# KiCad board Polygonus-Universal-Base.kicad_pcb (continued)
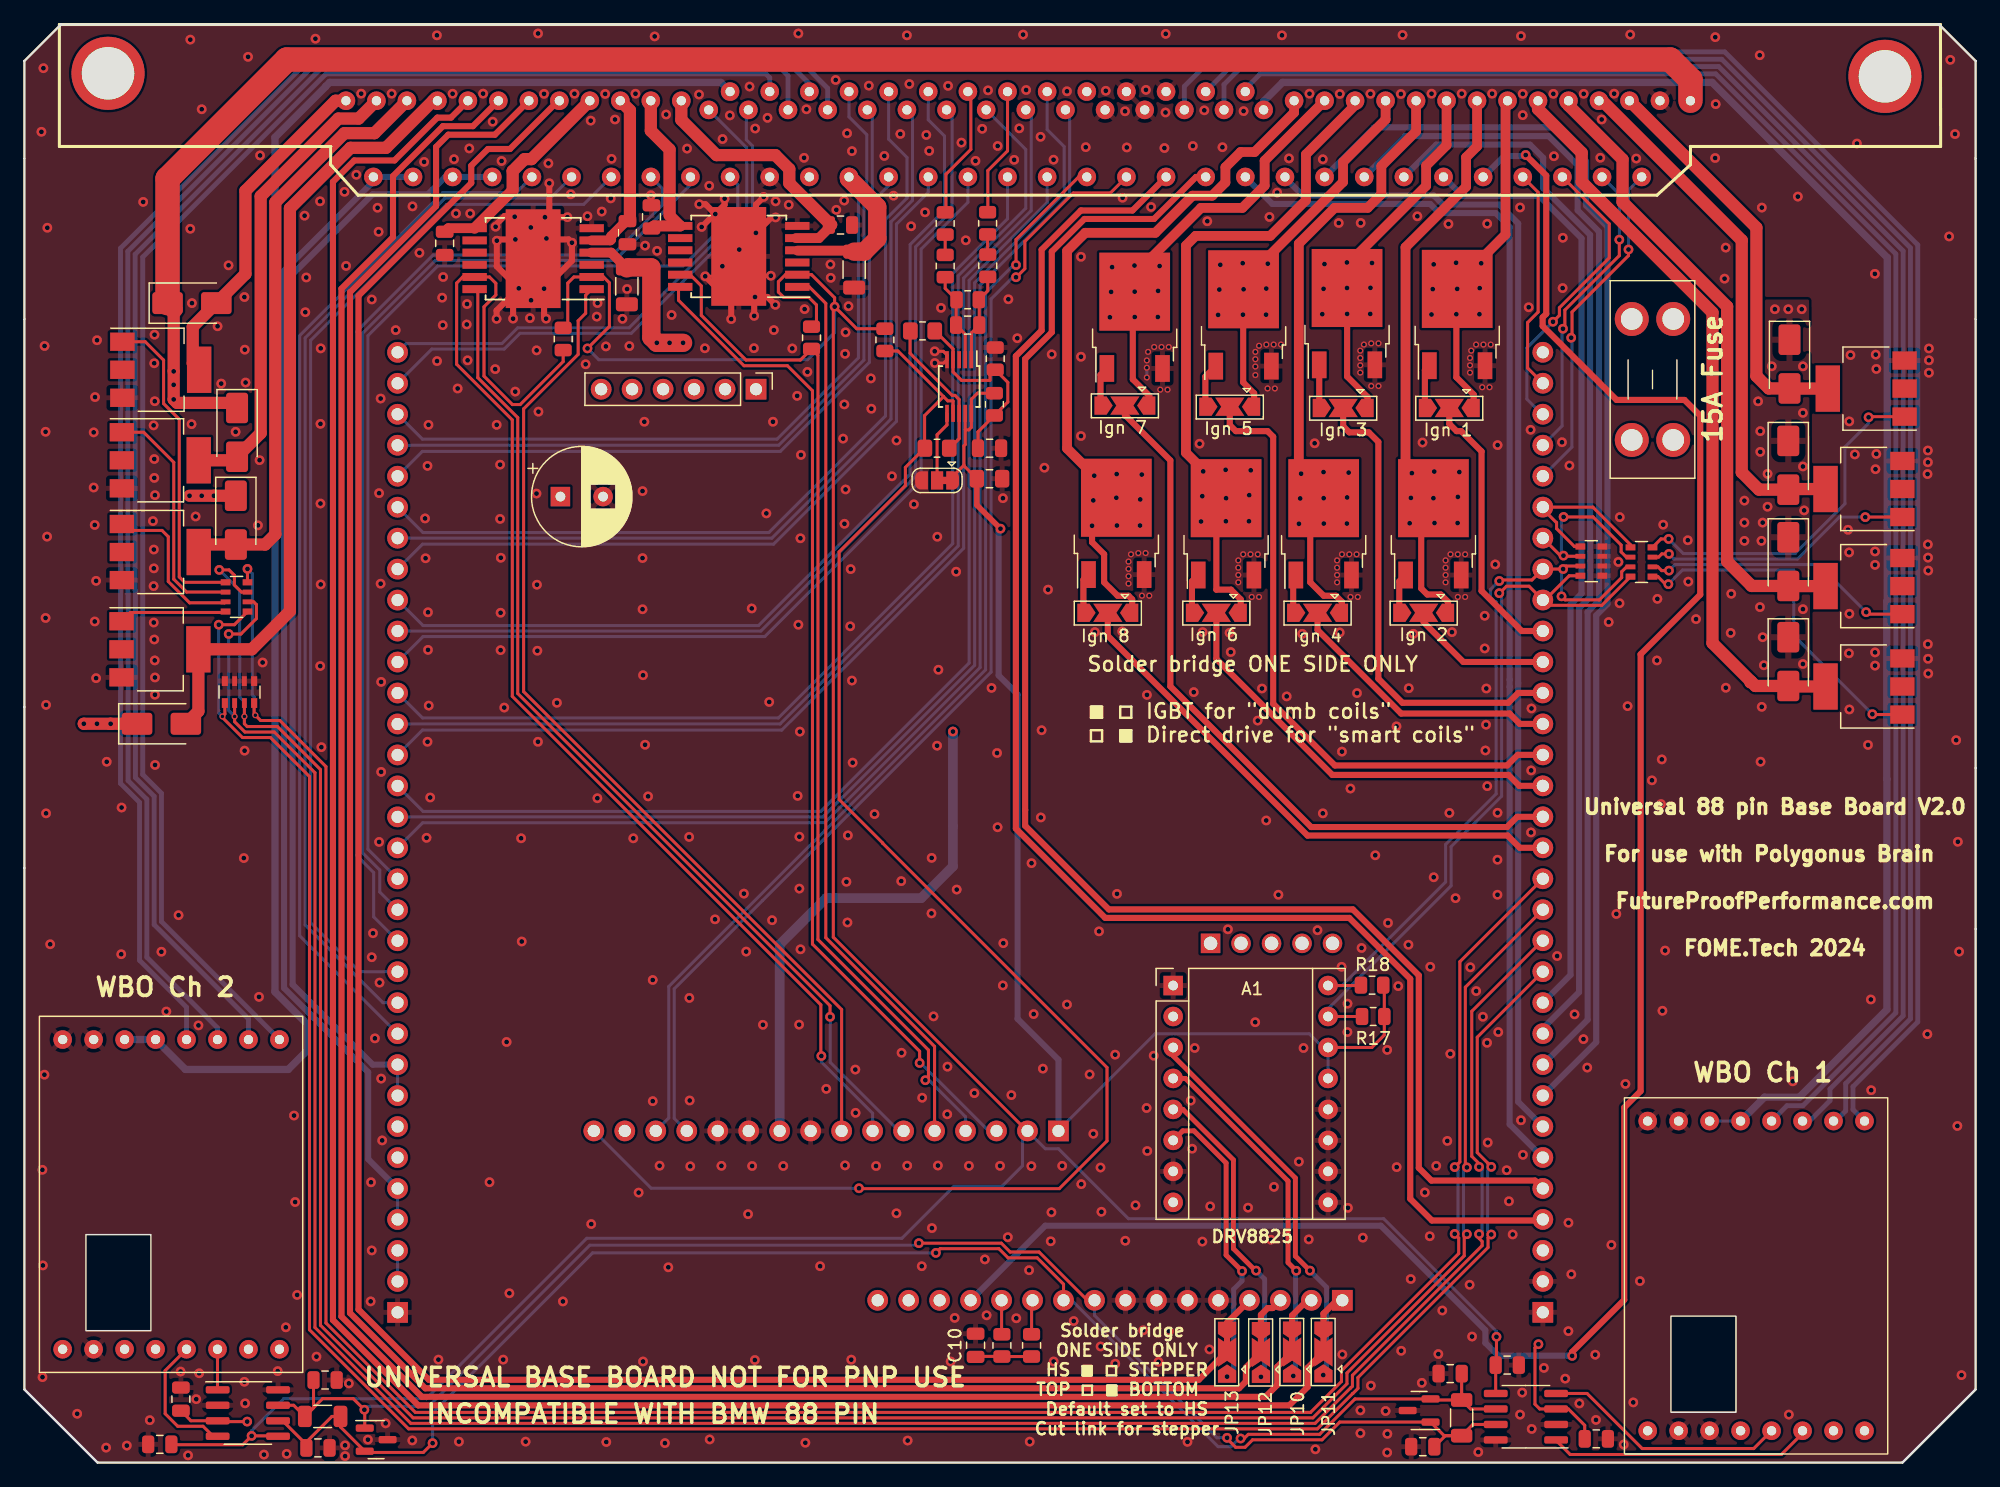
[diagram p0: board, top side]
## Routing (per net, layer and track width the routed paths; a pad name or vN(x,y) marks a point on that pad's centre or on a via; arc(x,y) is an arc through that point)
+3.3V: length 264.4
  Top w0.25: R12.2 64.95,93.57 64.95,94.95 64.33,95.57 62.27,95.57 61.83,96.01 61.83,96.85 62.4,97.43 63.21,97.43 63.24,97.4 ; R1.2 44.56,93.44 44.56,96.74 45.06,97.24 U2.2 47.49,97.24 47.97,96.76 47.97,93.18 v1(46.17,91.38) ; v1(120.71,10.32) 120.71,8.06 C15.1 120.65,5.67 U13.5 ; v1(66.44,94.81) 68.25,93 R11.1 ; v1(66.44,94.81) 66.44,95.54 64.55,97.43 U8.2 ; v1(66.44,94.81) 66.33,94.7 66.33,43.09 82.25,27.17 J4.82 ; U15.5 20.77,2.19 v1(18.63,2.19) 17.9,1.47 12.08,1.47 C19.1
  Bottom w0.25: v1(18.63,2.19) 18.63,2.61 21.25,5.24 32.95,5.24 46.11,18.4 71.96,18.4 76.23,22.67 80.17,22.67 81.85,24.34 81.85,26.8 J4.82 83.71,25.74 84.8,25.74 90.53,20 111.46,20 120.71,10.76 v1(120.71,10.32) ; v1(46.17,91.38) 47.1,90.46 64.22,90.46 66.44,92.68 v1(66.44,94.81)
+5V: length 283
  Top w0.25: R17.1 111.51,39.07 R18.2 111.51,35.07 110.49,34.05 A1.14 ; 78.05,80.76 C6.1 77.04,81.76 77.04,81.8 ; R7.1 78.15,87.71 77.65,87.21 U3.10 77.65,84.91 77.44,84.7 77.15,84.7 ; JP2.1 76.14,80.9 77.04,81.8 ; 77.15,84.7 77.15,83.51 77.04,83.4 77.04,81.8 ; 77.15,84.7 U3.9 ; v1(18.27,3.37) 15.91,3.37 U15.3 13.66,3.43 C18.1 ; C14.1 127.95,3.06 126.61,4.4 U13.3 124.26,4.4 123.87,4.79 123.87,9.43 v1(124.15,9.71)
  Top w0.45: C6.1 78.1,78.54 v1(80.04,76.6)
  In.Power.Cu w0.5: 83.74,23.2 81.84,21.3 65.74,21.3 58.04,13.6 51.14,13.6 45.14,7.6 22.5,7.6 v1(18.27,3.37) 13.07,3.37 12.44,4 12.44,5.7 10.84,7.3 ; 83.74,23.2 90.16,16.77 114.56,16.77 119.74,11.6 121.54,11.6 123.43,9.71 v1(124.15,9.71) 129.83,9.71 132.94,6.6 132.94,2.78 U1.1 ; 83.74,23.2 83.74,26.15 J4.81 ; 10.84,7.3 4.04,7.3 3.14,8.2 U14.1 ; 10.84,7.3 10.76,7.38 U14.4
  Bottom w0.25: 84.79,27.41 J4.81 84.79,27.25 92.72,35.17 105.36,35.17 106.49,34.05 A1.14 A1.13
  Bottom w0.5: v1(80.04,76.6) 79.89,76.45 79.89,64.56 81.44,63.01 81.44,36.4 84.79,33.04 J4.81
/5V_SENSOR_1: length 91.8
  Bottom w0.25: J4.40 J4.41
  Bottom w0.5: Motronic_88pin1.59 34.5,105.45 33.08,104.03 28.55,104.03 22,97.47 22,39.21 28.56,32.64 J4.41
/5V_SENSOR_2: length 95.6
  Bottom w0.25: J4.37 J4.36
  Bottom w0.5: Motronic_88pin1.57 Motronic_88pin1.56 28.62,105.08 21.3,97.76 21.3,38.92 28.19,32.03 28.19,24.89 J4.37
/12V_KEY: length 101.7
  In.Power.Cu w0.8: Motronic_88pin1.44 87.12,110.02 88.74,108.4 88.74,103.7 82.64,97.6 82.64,81.18 82.74,81.08 82.74,74.4 76.14,67.8 v1(76.14,59.96)
  Bottom w0.8: J4.90 61.93,42.49 65.74,46.3 73.54,46.3 76.14,48.9 v1(76.14,59.96)
/12V_MR: length 201.9
  Top w1: 12.24,94.6 v1(12.24,89.5) v1(12.24,87.2) 12.52,86.91 17.02,86.91 D702.1 ; D704.1 v1(7.07,60.6) v1(4.87,60.6) ; D703.1 v1(15.54,79.3) v1(13.54,79.3)
  Top w1.5: 12.24,94.6 D701.1
  Top w2: D701.1 11.74,105.3 21.52,115.07 134.96,115.07 136.62,113.42 Motronic_88pin1.28
  In.Power.Cu w1.5: 12.24,79.3 v1(12.24,87.2) v1(12.24,88.4) v1(12.24,89.5) ; 12.24,79.3 v1(13.54,79.3) v1(14.54,79.3) v1(15.54,79.3) ; 12.24,79.3 12.24,62.2 10.64,60.6 v1(7.07,60.6) v1(5.95,60.6) v1(4.87,60.6)
  vias: v1(139.96,71.26) v1(139.92,68.05) v1(141.04,78.9) v1(141.04,77.1) v1(141.04,75.6) v1(142.16,87.05) v1(142.34,84.6) v1(142.34,82.9) v1(142.32,70.17) v1(142.44,75.6) v1(142.54,77.1) v1(142.54,67.7) v1(142.64,65.4) v1(142.94,81.1) v1(142.94,78.4) v1(143.28,89.92) v1(143.54,94.6) v1(144.64,94.6) v1(145.74,94.6) v1(145.84,89.92) v1(145.84,86.1) v1(145.84,81.7) v1(145.84,70) v1(145.84,65.5) v1(145.94,78.1)
/12V_MR_FUSE: length 26.9
  Top w0.8: C1.2 48.11,99.24 46.49,99.24 ; 63.4,99.4 67.96,99.4
  Top w0.9: 67.96,99.4 67.98,99.38
  Top w1.5: C7.2 68.87,99.32 69.93,100.38 69.93,102.99 67.62,105.3 Motronic_88pin1.68 ; C1.2 49.48,98.03 51.41,98.03 51.41,92.29 v1(51.86,91.84) v1(54.01,91.84)
  vias: v1(52.9,91.84)
/12V_PROT: length 2.5
  Bottom w0.25: J4.35 J4.34
/AV1: length 64.1
  Bottom w0.25: J4.62 32.64,83.94 61.72,83.94 68.39,90.61 68.39,103.55 69.08,104.24 69.08,108.91 67.62,110.37 Motronic_88pin1.38
/AV2: length 62.1
  Bottom w0.25: J4.61 61.86,83.44 68.84,90.43 68.84,103.37 69.53,104.05 69.53,110.54 Motronic_88pin1.11
/AV3: length 58.4
  Bottom w0.25: J4.60 32.63,82.94 61.99,82.94 69.29,90.24 69.29,103.16 70.87,104.74 Motronic_88pin1.69
/AV4: length 72.8
  Bottom w0.25: Motronic_88pin1.39 70.87,108.55 72.38,107.04 72.38,103.71 70.61,101.95 70.61,85.84 61.05,76.28 32.68,76.28 J4.59
/AV5: length 70.8
  Bottom w0.25: J4.58 61.29,75.82 71.06,85.59 71.06,101.76 72.82,103.53 72.82,110.49 Motronic_88pin1.12
/AV6: length 67.1
  Bottom w0.25: J4.57 32.65,75.33 61.44,75.33 71.51,85.4 71.51,101.58 74.12,104.18 Motronic_88pin1.70
/AV7: length 81.1
  Bottom w0.25: J4.56 32.69,68.65 60.2,68.65 72.63,81.08 72.63,99.9 75.45,102.72 75.45,108.8 74.12,110.13 Motronic_88pin1.40
/AV8: length 79.2
  Bottom w0.25: Motronic_88pin1.13 76.08,110.49 76.08,102.71 73.08,99.71 73.08,80.89 60.39,68.2 J4.55
/AV9: length 75.6
  Bottom w0.25: Motronic_88pin1.71 77.37,103.37 73.53,99.53 73.53,80.57 60.71,67.75 32.69,67.75 J4.54
/AV10: length 84.2
  Bottom w0.25: J4.53 32.65,61.07 61.83,61.07 76.12,75.37 76.12,97.52 80.62,102.02 Motronic_88pin1.72
/AV11: length 91.4
  Bottom w0.25: J4.52 61.97,60.58 76.57,75.18 76.57,97.33 82.11,102.87 82.11,107.7 Motronic_88pin1.14
GND: length 65.9
  Top w0.25: v1(58.62,99.49) 60.77,97.34 v1(61.21,97.34) 61.17,97.3 v1(55.83,97.3) ; v1(74.65,91.15) 75.35,91.15 75.66,90.84 75.65,90.83 U3.5 75.38,90.18 v1(74.66,90.18)
  Top w0.5: v1(56.66,102.41) 57.42,103.17 v1(57.42,103.67) ; v1(56.66,102.41) 55.85,103.21 v1(55.34,103.21) ; v1(56.66,102.41) 56.6,102.41 v1(55.53,101.34) ; v1(55.83,97.3) 57.96,95.17 v1(57.96,93.79) ; v1(42.61,96.28) 42.59,96.31 v1(40.54,96.31) ; v1(42.61,96.28) 42.61,93.99 v1(42.78,93.82) ; v1(42.61,96.28) 44.9,98.57 v1(44.9,100.05) 44.63,100.32 v1(40.26,100.32) 38.84,100.32 v1(38.74,100.22) 38.74,98.11 v1(40.54,96.31) ; v1(60.62,103.81) 59.99,103.17 v1(59.99,100.86) 61.26,102.13 v1(61.6,102.13) ; v1(38.64,101.36) 38.64,101.51 39.37,102.24 40.14,102.24 v1(40.2,102.18) 42.65,102.18 v1(42.69,102.14) ; v1(40.07,93.82) 40.07,95.84 v1(40.54,96.31) ; v1(40.54,96.31) 38.72,94.49 v1(38.72,93.81) ; v1(42.69,102.14) v1(44.53,102.14) ; v1(42.69,102.14) 43.04,102.5 v1(43.04,104.93) ; v1(61.58,94.96) 60.93,95.6 v1(59.91,95.6) 59.84,95.53 v1(59.84,94.05)
  Bottom w0.25: v2(92.04,89.8) v2(92.04,89)
  vias: v1(1.4,109.15) v1(1.48,24.01) v1(1.48,7.01) v1(1.56,114.37) v1(1.52,16.17) v1(1.65,91.58) v1(1.64,31.82) v1(1.74,84.54) v1(1.74,69.28) v1(1.78,62.15) v1(1.78,53.25) v1(1.88,101.28) v1(1.86,75.95) v1(2.11,42.51) v1(4.33,4.01) v1(5.68,84.5) v1(5.68,79.97) v1(5.77,76.9) v1(5.77,68.99) v1(5.79,87.39) v1(5.88,72.32) v1(5.88,64.34) v1(5.95,92.05) v1(6.75,57.48) v1(6.7,1.23) v1(7.97,53.73) v1(7.94,41.7) v1(8.4,1.4) v1(9.74,103.4) v1(10.28,3.48) v1(10.54,77.22) v1(10.67,92.51) v1(10.65,90.17) v1(10.6,85.07) v1(10.65,82.31) v1(10.65,80.76) v1(10.61,74.89) v1(10.61,73.34) v1(10.6,71.89) v1(10.61,68.9) v1(10.65,67.51) v1(10.69,65.79) v1(10.69,87.05) v1(10.71,79.35) v1(10.71,64.4) v1(10.71,62.98) v1(10.71,57.22) v1(11.23,41.9) v1(11.64,37) v1(12.64,44.9) v1(12.81,7.47) v1(13.42,0.6) v1(13.61,116.71) v1(13.6,101.19) v1(13.74,95.1) v1(13.71,85.17) v1(14.04,77.6) v1(14.09,5.2) v1(14.27,35.86) v1(14.33,7.33) v1(14.54,111) v1(15.84,93.2) v1(16.14,88.5) v1(16.74,98.2) v1(17.32,84.54) v1(18.04,95.6) v1(18.07,91.28) v1(18.06,58.39) v1(17.99,49.58) v1(18.04,6.63) v1(18.14,88.59) v1(18.1,4.86) v1(18.34,115.3) v1(19.15,76.87) v1(19.28,82.22) v1(19.24,38.2) v1(19.33,107.21) v1(19.53,65.62) v1(19.64,0.66) v1(20.77,7.5) v1(21.44,11.1) v1(21.51,0.72) v1(22.11,28.47) v1(22.2,21.37) v1(22.36,13.75) v1(22.98,102.27) v1(23.03,94.35) v1(23.11,97.2) v1(23.87,116.78) v1(23.95,8.69) v1(24.25,103.45) v1(24.28,85.19) v1(24.28,78.66) v1(24.26,65.33) v1(24.3,91.39) v1(24.3,72.03) v1(24.35,58.68) v1(26.25,104.22) v1(26.38,98.15) v1(26.3,1.42) v1(26.3,0.53) v1(26.61,6.5) v1(27.22,105.62) v1(27.62,112.28) v1(28.17,1.88) v1(28.49,95.4) v1(28.48,41.45) v1(28.42,22.99) v1(28.48,17.4) v1(28.39,13.22) v1(28.59,43.42) v1(28.74,34.8) v1(28.96,102.92) v1(29.05,100.95) v1(29.09,79.51) v1(29.09,50.9) v1(29.12,39.37) v1(29.21,87.27) v1(29.21,72.09) v1(29.25,64.03) v1(29.25,56.65) v1(29.25,31.49) v1(29.34,26.43) v1(29.62,3.22) v1(30.12,112.28) v1(30.45,92.88) v1(31.82,103.03) v1(31.81,1.82) v1(32.39,99.22) v1(32.78,106.68) v1(32.86,77.44) v1(32.9,74.17) v1(32.98,51.24) v1(33.06,81.75) v1(33.06,59.12) v1(33.14,85.11) v1(33.1,69.74) v1(33.1,66.66) v1(33.16,62.09) v1(33.28,54.55) v1(33.82,117.06) v1(33.84,90.35) v1(33.95,8.45) v1(34.26,95.54) v1(34.34,97.24) v1(34.31,93.29) v1(35.11,112.27) v1(35.23,106.9) v1(35.39,102.45) v1(35.53,88.1) v1(35.63,1.72) v1(36.27,93.35) v1(36.3,95.02) v1(36.34,90.41) v1(36.48,107.78) v1(36.55,102.45) v1(37.61,112.28) v1(38.14,23) v1(38.4,109.98) v1(38.61,89.68) v1(38.73,85.11) v1(39.01,81.85) v1(39.01,77.4) v1(39.07,74.21) v1(39.05,69.7) v1(39.05,66.64) v1(39.13,106.75) v1(39.26,8.45) v1(39.35,61.93) v1(39.54,34.5) v1(39.77,13.89) v1(40.25,87.84) v1(40.73,51.21) v1(40.78,42.74) v1(41.1,1.72) v1(41.46,93.87) v1(41.52,101.3) v1(41.54,95.33) v1(42,91.22) v1(41.99,79.48) v1(42.03,72) v1(42.06,66.59) v1(42.12,117.21) v1(42.15,86.2) v1(42.11,59.12) v1(42.61,112.26) v1(42.81,100.4) v1(42.97,106.56) v1(43.67,62.32) v1(44.16,13.22) v1(44.8,104.02) v1(45.11,112.27) v1(46.02,90.08) v1(46.17,102.22) v1(46.44,110.06) v1(46.48,19.57) v1(46.93,93.99) v1(46.98,54.49) v1(47,95.1) v1(47.34,102.61) v1(47.62,112.25) v1(47.68,91.55) v1(47.72,1.69) v1(48.08,103.69) v1(48.15,106.93) v1(48.43,110.16) v1(49.04,93.81) v1(49.42,96.25) v1(49.61,91.58) v1(49.93,51.2) v1(50.11,112.27) v1(50.37,22.15) v1(50.69,79.68) v1(50.69,74.19) v1(50.69,69.99) v1(50.73,64.58) v1(50.73,8.29) v1(50.84,85.37) v1(50.9,99.81) v1(50.9,58.87) v1(51.14,54.64) v1(51.38,103.95) v1(51.52,39.58) v1(51.53,29.65) v1(51.68,116.97) v1(51.88,99.38) v1(52.09,24.35) v1(52.53,1.6) v1(52.62,110.57) v1(52.8,16.02) v1(53.07,94.13) v1(54.34,107.77) v1(54.51,51.32) v1(54.52,38.11) v1(54.55,29.7) v1(54.6,24.3) v1(55.32,112.2) v1(55.8,91.4) v1(56.16,104.72) v1(56.19,1.9) v1(56.63,44.56) v1(57.16,24.34) v1(57.25,108.55) v1(57.23,98.12) v1(57.85,110.49) v1(59,46.67) v1(59.19,41.91) v1(59.34,20.38) v1(59.46,112.86) v1(59.64,70.06) v1(59.67,24.33) v1(59.82,91.4) v1(59.92,109.42) v1(59.9,8.41) v1(60.56,35.91) v1(60.84,77.85) v1(60.94,110.3) v1(61.08,62.39) v1(61.38,85.37) v1(61.31,44.49) v1(61.46,92.88) v1(61.6,103.44) v1(62.23,24.33) v1(62.68,103.16) v1(62.97,91.38) v1(63.37,87.49) v1(63.47,117.21) v1(63.47,68.72) v1(63.41,54.68) v1(63.59,59.95) v1(63.55,51.34) v1(63.55,47.08) v1(63.53,35.92) v1(63.68,82.65) v1(63.63,75.81) v1(63.64,42.1) v1(63.93,107.01) v1(63.98,94.6) v1(64.04,1.63) v1(64.13,110.99) v1(64.21,89.46) v1(65.25,16.11) v1(65.75,30.65) v1(66.09,98.27) v1(66.12,97.17) v1(66.53,113.4) v1(66.58,102.75) v1(67.14,83.98) v1(67.22,103.51) v1(67.24,86.79) v1(67.25,77) v1(67.34,92.7) v1(67.3,90.94) v1(67.34,79.82) v1(67.29,24.38) v1(67.46,109.03) v1(67.41,47.64) v1(67.58,94.84) v1(67.53,51.44) v1(67.49,44.3) v1(67.76,73.28) v1(67.72,68.59) v1(67.86,107.56) v1(67.86,64.14) v1(67.8,8.44) v1(67.92,57.41) v1(68.14,32.24) v1(68.16,28.69) v1(69.24,112.93) v1(69.41,88.92) v1(69.45,86.44) v1(69.71,53.19) v1(69.84,24.33) v1(70.51,107.17) v1(71.14,80.9) v1(71.27,103.91) v1(71.51,83.83) v1(71.51,20.45) v1(71.82,108.97) v1(71.9,47.69) v1(71.93,33.61) v1(72.37,117.06) v1(72.39,24.35) v1(72.43,1.81) v1(72.56,113.07) v1(72.71,101.4) v1(72.94,78.6) v1(73.58,16.11) v1(73.62,29.93) v1(73.85,102.55) v1(73.96,108.89) v1(74.19,107.58) v1(74.38,45.05) v1(74.4,49.6) v1(74.42,19.24) v1(74.55,36.6) v1(74.86,75.94) v1(74.84,58.8) v1(74.95,65.03) v1(74.91,24.37) v1(75.16,94.71) v1(75.67,28.57) v1(75.74,112.92) v1(75.69,32.48) v1(75.95,8.29) v1(76.28,11.87) v1(76.4,73.07) v1(76.45,47) v1(76.84,108.26) v1(77.2,100.25) v1(77.45,24.34) v1(77.9,30.3) v1(77.99,106.76) v1(78.54,109.39) v1(78.76,16.67) v1(78.9,12.08) v1(79.02,112.55) v1(79.3,63.54) v1(79.76,58.2) v1(79.81,107.98) v1(79.8,52.11) v1(80,24.34) v1(80.24,79.1) v1(80.27,42.6) v1(80.23,39.14) v1(80.69,95.41) v1(80.64,18.49) v1(80.93,30.14) v1(81.16,106.85) v1(81.34,11.84) v1(81.42,92.22) v1(81.58,109.43) v1(81.89,117.12) v1(82.14,112.58) v1(82.38,15.78) v1(82.44,1.72) v1(82.58,49.17) v1(82.57,24.31) v1(82.76,36.79) v1(83.33,108.74) v1(83.35,52.91) v1(83.41,60.07) v1(83.52,32.31) v1(83.64,81.6) v1(83.94,71.6) v1(84.16,18.15) v1(84.24,90.9) v1(84.22,20.53) v1(84.39,106.86) v1(84.4,8.29) v1(85.1,24.34) v1(85.49,112.47) v1(85.49,37.57) v1(86.04,11.61) v1(86.64,98.9) v1(86.64,90.7) v1(86.64,84.2) v1(86.66,22.84) v1(87.03,107.89) v1(87.35,31.84) v1(87.65,26.97) v1(87.78,68.11) v1(88.12,43.57) v1(88.24,24.2) v1(88.25,9.53) v1(88.31,20.57) v1(88.67,112.51) v1(89.44,33.46) v1(89.45,8.11) v1(89.59,46.65) v1(90.05,103.74) v1(90.02,68.17) v1(90.25,110.83) v1(90.27,18.2) v1(90.4,107.86) v1(91.11,21.1) v1(91.75,10.85) v1(91.97,112.59) v1(92.05,62.97) v1(92.02,29.08) v1(92.07,25.56) v1(92.39,102.98) v1(92.6,33.37) v1(93,8.26) v1(93.48,107.82) v1(93.59,117.18) v1(93.57,110.73) v1(93.86,10.78) v1(95.38,1.7) v1(95.64,29.69) v1(95.75,25.75) v1(95.81,107.98) v1(95.89,63.19) v1(95.96,34.01) v1(96.36,83.57) v1(96.62,68.11) v1(96.6,18.13) v1(96.75,110.91) v1(97,101.81) v1(97.17,9.28) v1(97.24,21.02) v1(98.24,107.88) v1(98.69,43.74) v1(98.83,68.06) v1(98.92,66.48) v1(99.97,110.85) v1(100.34,20.91) v1(100.93,36.12) v1(101.13,60.86) v1(101.48,63.49) v1(101.83,52.66) v1(102.1,102.16) v1(102.21,18.28) v1(102.46,22.61) v1(102.73,104.16) v1(102.83,46.57) v1(103.12,117.06) v1(103.51,62.84) v1(103.7,106.97) v1(104.51,24.68) v1(104.78,67.98) v1(104.89,34.01) v1(105.38,112.28) v1(105.32,18.31) v1(105.8,83.6) v1(105.86,1.09) v1(106.04,43.67) v1(106.47,106.9) v1(106.47,53.25) v1(107.78,101.67) v1(107.86,112.25) v1(107.86,68.09) v1(108.04,58.31) v1(108.01,40.66) v1(108.07,8.87) v1(108.49,35.31) v1(108.5,37.64) v1(108.53,20.9) v1(108.73,55.29) v1(109.27,63.12) v1(109.58,101.67) v1(109.55,4.29) v1(109.55,2.41) v1(109.65,42.21) v1(109.75,18.45) v1(110.37,112.26) v1(110.41,6.31) v1(110.77,49.81) v1(111.62,4.23) v1(111.75,33.85) v1(111.76,2.36) v1(111.75,0.83) v1(111.82,44.26) v1(112.51,60.38) v1(112.53,24.23) v1(112.65,39.08) v1(112.87,112.25) v1(112.9,9.17) v1(113.01,117.09) v1(113.52,63.52) v1(113.49,42.47) v1(113.68,15.06) v1(113.9,67.98) v1(114.22,102.22) v1(114.59,6.54) v1(114.65,83.66) v1(114.84,22.16) v1(115.28,40.66) v1(115.24,18.57) v1(115.38,112.28) v1(115.56,48.01) v1(115.77,24.33) v1(115.94,8.9) v1(116.27,12.48) v1(116.68,26.39) v1(116.77,101.59) v1(116.85,53.29) v1(116.92,33.53) v1(117.06,68.11) v1(117.35,46.29) v1(117.86,112.28) v1(118.57,40.62) v1(118.51,14.59) v1(118.71,10.34) v1(119.05,38.67) v1(119.22,0.87) v1(119.6,36.57) v1(119.74,69.45) v1(119.74,66.78) v1(119.88,63.49) v1(119.86,60.52) v1(119.8,58.41) v1(119.95,101.61) v1(119.95,55.48) v1(119.94,34.43) v1(119.99,26.25) v1(120.36,112.28) v1(120.61,73.67) v1(120.8,83.45) v1(120.8,53.3) v1(120.79,49.45) v1(120.79,46.58) v1(120.86,35.31) v1(121.55,23.98) v1(121.73,21.44) v1(122.04,18.71) v1(122.64,102.94) v1(122.64,3.94) v1(122.72,117) v1(122.72,28.08) v1(122.87,112.26) v1(122.86,110.51) v1(122.88,25.25) v1(122.82,5.75) v1(123.35,94.76) v1(123.51,84.71) v1(123.58,61.85) v1(123.56,56.77) v1(123.54,51.68) v1(123.6,2.76) v1(124.6,7.77) v1(125.38,112.26) v1(125.42,107.15) v1(125.68,41.55) v1(126.08,83.69) v1(126.15,100.46) v1(126.14,96.33) v1(126.35,6.89) v1(126.61,19.67) v1(126.61,10.79) v1(126.69,81.77) v1(126.85,15.45) v1(127.11,36.77) v1(127.51,4.85) v1(127.86,112.26) v1(127.84,34.73) v1(128.15,32.4) v1(128.81,8.85) v1(128.87,3.5) v1(129.22,107.02) v1(129.33,110.16) v1(129.91,68.94) v1(130.13,17.85) v1(130.36,112.28) v1(130.54,45) v1(130.7,73.87) v1(130.82,77.54) v1(130.8,70.48) v1(131.15,1.48) v1(131.28,31.06) v1(131.46,62.04) v1(131.68,117.12) v1(131.93,4.94) v1(132.17,106.96) v1(132.47,14.89) v1(133.46,55.96) v1(133.87,65.79) v1(133.91,70.84) v1(134.27,57.68) v1(134.2,54.01) v1(134.38,76.93) v1(134.32,37.06) v1(134.54,42) v1(136.4,75.65) v1(136.44,72.25) v1(137.07,69.18) v1(138.65,116.91) v1(138.69,111.42) v1(138.64,107) v1(139.41,97.1) v1(139.51,99.65) v1(139.52,63.55) v1(142.3,115.43) v1(142.37,57.49) v1(142.47,102.93) v1(142.46,61.99) v1(144.69,3.94) v1(145,31.27) v1(145.42,103.84) v1(149.54,76.51) v1(149.64,85.4) v1(149.63,74.65) v1(149.65,69.62) v1(149.61,66.38) v1(149.65,61.77) v1(149.74,90.84) v1(150.09,82.69) v1(150.27,108.19) v1(151.18,58.86) v1(151.41,37.98) v1(151.44,30.55) v1(151.74,97.5) v1(151.75,74.73) v1(151.75,73.63) v1(151.75,66.45) v1(151.75,65.37) v1(151.81,90.87) v1(151.86,89.7) v1(151.86,82.73) v1(151.79,81.48) v1(156.09,83.01) v1(156.09,82.04) v1(156.06,81.08) v1(156.08,75.3) v1(156.08,67.12) v1(156.05,35.14) v1(156.17,91.38) v1(156.17,90.41) v1(156.17,89.39) v1(156.1,74.22) v1(156.12,73.16) v1(156.1,65.93) v1(156.12,64.72) v1(157.83,100.56) v1(157.92,115.05) v1(158.31,108.96) v1(158.41,59.25) v1(158.54,50.92) v1(158.5,27.61) v1(158.65,41.91) v1(158.84,7.18) v2(90.54,73.9) v2(90.54,73.3) v2(90.54,72.7) v2(90.54,72.1) v2(90.74,74.5) v2(91.34,74.6) v2(91.64,71.1) v2(91.94,74.6) v2(92.04,90.4) v2(92.14,91.1) v2(92.24,71.1) v2(92.64,91.5) v2(93.14,88) v2(93.24,91.5) v2(93.74,88) v2(93.84,91.5) v2(99.54,74) v2(99.54,73.4) v2(99.54,72.8) v2(99.54,72.2) v2(99.94,74.5) v2(100.54,74.5) v2(100.64,71) v2(100.94,91.1) v2(100.94,90.5) v2(100.94,89.9) v2(100.94,89.2) v2(101.14,74.5) v2(101.24,91.6) v2(101.24,71) v2(101.84,91.7) v2(101.94,88.1) v2(102.44,91.7) v2(102.54,88.1) v2(103.04,91.7) v2(107.64,74) v2(107.64,73.4) v2(107.64,72.8) v2(107.64,72.2) v2(108.04,74.5) v2(108.64,74.5) v2(108.74,71) v2(109.24,74.5) v2(109.34,71) v2(109.54,91.2) v2(109.54,90.6) v2(109.54,90) v2(109.54,89.4) v2(109.84,91.7) v2(110.44,91.8) v2(110.44,88.3) v2(111.04,91.8) v2(111.04,88.3) v2(116.54,74) v2(116.54,73.4) v2(116.54,72.8) v2(116.54,72.2) v2(116.94,74.5) v2(117.54,74.5) v2(117.54,71) v2(118.14,74.5) v2(118.14,71) v2(118.54,90.6) v2(118.54,90) v2(118.54,89.4) v2(118.64,91.2) v2(119.04,91.7) v2(119.54,88.2) v2(119.64,91.7) v2(120.14,88.2) v2(120.24,91.7)
/AT1: length 91.9
  Bottom w0.25: Motronic_88pin1.15 82.56,110.5 82.56,102.69 77.02,97.15 77.02,75 62.1,60.08 32.64,60.08 J4.51
/AT2: length 95.3
  Bottom w0.25: J4.50 32.69,53.41 65.3,53.41 77.47,65.58 77.47,96.96 83.87,103.36 Motronic_88pin1.73
/AT3: length 103.1
  Bottom w0.25: J4.49 65.48,52.96 77.92,65.4 77.92,96.76 85.26,104.11 85.26,107.93 83.87,109.33 Motronic_88pin1.43
/AT4: length 102.8
  Bottom w0.25: Motronic_88pin1.16 85.71,110.6 85.71,103.92 78.37,96.58 78.37,65.21 65.63,52.48 32.65,52.48 31.39,51.21 31.39,51.21 J4.48
/CAN2+: length 123.7
  Top w0.25: v1(73.35,18) 73.35,18 80.11,18 80.83,17.27 83.21,17.27 87.17,13.31 J4.73 ; R15.1 116.52,2.21 C12.2 ; R15.1 118.77,3.13 U13.7 ; R15.1 116.42,2.21 D1.1 115.3,3.33 107.86,3.33 106.4,1.87 100.71,1.87 100.09,1.25 99.33,1.25 98.62,1.96 v1(98.62,2.03) ; U15.7 22.08,4.7 R16.1 ; C16.2 23.71,4.5 R16.1 ; D2.1 27.91,4.3 v1(27.88,4.34) 26.96,5.25 24.46,5.25 R16.1
  Bottom w0.25: v1(27.88,4.34) 28.17,4.62 33.16,4.62 46.37,17.83 73.18,17.83 v1(73.35,18) ; J4.73 87.75,12.07 97.79,2.03 v1(98.62,2.03)
/CAN2-: length 124
  Top w0.25: R15.2 118.59,4.4 U13.6 ; R15.2 117.85,7.29 C13.1 ; R15.2 115.39,5.13 D1.2 109.11,5.22 106.21,2.32 100.36,2.32 100.02,1.98 v1(99.73,1.98) ; J4.74 85.21,14.63 83.05,16.79 80.66,16.79 79.91,17.55 75.09,17.55 v1(74.74,17.2) ; U15.6 21.17,3.43 23.12,1.48 C17.1 23.12,1.69 25.22,3.79 R16.2 25.92,2.92 D2.2 28.01,0.84 32.71,0.84 v1(33.47,1.6)
  Bottom w0.25: v1(74.74,17.2) 46.59,17.2 33.47,4.08 v1(33.47,1.6) ; v1(99.73,1.98) 99.61,1.98 98.94,1.31 97.88,1.31 85.88,13.31 J4.74
/CAN+: length 96
  Top w0.25: Motronic_88pin1.75 89.05,104.13 86.01,104.13 82.04,100.16 82.04,97.92 81.34,97.22 v1(81.31,97.22)
  Bottom w0.25: J4.93 53.29,28.23 53.29,38.86 60.54,46.11 79.27,64.84 79.27,95.44 81.05,97.22 v1(81.31,97.22)
/CAN-: length 93.4
  Top w0.25: Motronic_88pin1.74 86.45,105.45 81.31,100.31 v1(81.31,98.22)
  Bottom w0.25: v1(81.31,98.22) 81.11,98.22 78.82,95.93 78.82,65.03 65.65,51.86 52.84,39.04 52.84,28.27 J4.94
/CAN_RX: length 20.1
  Top w0.25: 143.27,2.61 141.81,1.15 132.66,1.15 128.14,5.67 U13.4
/CAN_RX2: length 11.1
  Top w0.25: U15.4 15.47,2.16 14.65,2.98 12.57,2.98 11.54,4.01 11.54,7.55 U14.5
/CAN_TX: length 21.7
  Top w0.25: 145.81,2.61 145.81,2.4 144.07,0.67 126.75,0.67 125.6,1.82 U13.1
/CAN_TX2: length 3.3
  Top w0.25: U15.1 15.84,5.98 U14.6
/CRANK +: length 10.9
  Top w0.25: R2.2 75.57,102.61 75.57,105.67 77.61,107.71 77.61,112.2 Motronic_88pin1.41
/CRANK -: length 10.6
  Top w0.25: Motronic_88pin1.42 80.62,107.58 79,105.97 79,102.57 R3.2
/DIGITAL_1: length 83.2
  Bottom w0.25: J4.47 28.17,50.31 28.17,92.43 33.89,98.14 54.02,98.14 58.49,102.62 58.49,104.82 Motronic_88pin1.65
/DIGITAL_2: length 81
  Bottom w0.25: J4.46 29.14,46.8 29.14,48.6 27.72,50.02 27.72,92.61 33.7,98.59 48.4,98.59 54.62,104.81 Motronic_88pin1.64
/DIGITAL_3: length 83.4
  Bottom w0.25: J4.45 28.64,44.76 28.64,48.4 27.25,49.79 27.25,92.78 33.52,99.04 48.22,99.04 52.35,103.17 52.35,104.47 Motronic_88pin1.63
/DIGITAL_4: length 86.8
  Bottom w0.25: J4.44 27.5,40.26 23.47,44.29 23.47,92.05 34.62,103.2 45.87,103.2 48.11,105.45 Motronic_88pin1.62
/DIGITAL_5: length 85.7
  Bottom w0.25: Motronic_88pin1.61 43.13,103.71 34.49,103.71 23.02,92.24 23.02,44.1 29.4,37.72 J4.43
/DIGITAL_6: length 85
  Bottom w0.25: J4.42 22.57,43.21 22.57,92.43 34.31,104.16 40.34,104.16 Motronic_88pin1.60
/ETB1_+: length 21.6
  Top w0.8: 66.26,101.54 65.15,100.43 63.27,100.43
  Top w1: Motronic_88pin1.34 53.87,110.13 56.76,107.24 61.58,107.24 62.72,106.09 62.72,104.93 66.15,101.5
/ETB1_-: length 13.7
  Top w0.9: 52.9,102.3 U8.7 51.63,101.43 C9.1
  Top w1: 52.9,102.3 52.9,107.7 51.37,109.23 Motronic_88pin1.6
/ETB1_DIR: length 74.5
  Top w0.25: U8.1 64.36,96.43 65.72,95.07 65.72,43.05 74.63,34.14 J4.85
/ETB1_DIS: length 85.2
  Top w0.25: v1(73.88,31.37) 74.13,31.62 74.13,33.84 65.07,42.9 65.07,90.81 R12.1 63.63,90.43 59.17,90.43 55.51,94.1 55.51,96.51 54.59,97.43 U8.11
  Bottom w0.25: J4.84 77.17,28.36 74.17,31.37 v1(73.88,31.37)
/ETB1_PWM: length 82.5
  Top w0.25: 53.64,96.4 53.64,95.33 59.01,89.96 62.57,89.96 64.62,87.91 64.62,42.53 73.41,33.74 v1(73.41,32.78)
  Bottom w0.25: v1(73.41,32.78) 73.49,32.78 79.07,27.2 J4.83
/ETB2_+: length 14.2
  Top w0.8: 49.67,101.83 49.35,101.83 48.12,100.6 48.12,100.32 48.04,100.24 U2.5
  Top w1: 49.67,101.83 49.65,101.84 49.65,110.91 Motronic_88pin1.33
/ETB2_-: length 17.3
  Top w0.8: U2.7 34.76,101.24 C3.1
  Top w0.9: 40.04,104.36 U2.7
  Top w1: Motronic_88pin1.5 41.58,106.91 41.01,106.91 40.04,105.93 40.04,104.36
/ETB2_DIR: length 82.2
  Top w0.25: U2.1 46.02,95.75 46.02,94.27 45.41,93.65 45.41,90.89 40.94,86.42 40.94,63.24 67.01,37.16 J4.88
/ETB2_DIS: length 105.2
  Top w0.25: R1.1 44.18,90.3 40.66,86.78 40.02,86.78 37.69,89.11 37.69,94.8 38.66,95.77 38.66,96.72 38.14,97.24 U2.11 35.94,97.24 35.44,96.74 35.44,90.08 40.01,85.52 40.01,62.85 65.31,37.55 65.31,33.39 v1(65.35,33.35)
  Bottom w0.25: v1(65.35,33.35) 65.35,32.86 69.55,28.65 J4.87
/ETB2_PWM: length 83.8
  Top w0.25: v1(66.06,36.56) 66.06,37.47 40.46,63.08 40.46,85.71 37.18,88.98 37.18,95.98 U2.12
  Bottom w0.25: v1(66.06,36.56) 66.08,36.54 66.08,32.83 71.71,27.2 J4.86
/ExtraLSA: length 28
  Top w1: Motronic_88pin1.1 25.51,111.7 18.12,104.31 18.12,97.48 D701.2 13.81,93.16 13.81,90.16 U9.4 14.34,89.63
/ExtraLSB: length 38.2
  Top w1: U10.4 17.15,82.21 D702.2 19.37,84.43 19.37,103.86 25.75,110.23 27.41,110.23 Motronic_88pin1.29
/ExtraLSC: length 48.4
  Top w1: U12.4 14.91,75.3 D703.2 19.74,75.3 20.57,76.13 20.57,103.36 26.25,109.03 28.71,109.03 Motronic_88pin1.2
/ExtraLSD: length 64.1
  Top w1: Motronic_88pin1.30 33.51,111.7 29.65,107.83 26.74,107.83 21.77,102.87 21.77,69.83 18.65,66.71 U11.4 14.27,61.63 D704.2
/HeaterNeg: length 138.5
  Bottom w0.25: U1.11 U1.12
  Bottom w0.6: Motronic_88pin1.21 101.62,111.65 103.17,113.2 138.4,113.2 152.76,98.84 152.76,70.68 152.72,70.64 152.72,56.05 152.73,56.04 152.73,37.15 145.55,29.97 142.69,29.97 U1.12
/HeaterNeg2: length 132.1
  Bottom w0.6: U14.11 U14.12 13.21,32.25 21.64,32.25 23.21,33.82 23.21,35.95 20.55,38.61 20.55,108.7 24.7,112.85 24.7,112.87 25.03,113.2 57.11,113.2 Motronic_88pin1.35
/HS1: length 187.1
  Top w0.5: 100.75,13.01 J4.68 98.62,11.48 JP13.3 JP13.2 98.56,9.05 96.3,6.79 33.17,6.79 27.4,12.56 27.4,95.7 36.64,104.94 36.64,106.37 38.01,107.74 39.82,107.74 43.78,111.7 Motronic_88pin1.32
/HS2: length 192.1
  Top w0.5: Motronic_88pin1.4 38.58,108.91 34.76,108.91 33.76,107.91 33.76,103.05 26.7,95.99 26.7,12.27 32.88,6.09 99.6,6.09 100.16,6.65 100.16,7.8 JP12.2 JP12.3 101.4,12.12 101.95,12.68 102.35,12.68 J4.67
/HS3: length 194.7
  Top w0.5: Motronic_88pin1.31 36.78,109.61 34.32,109.61 30.23,105.52 30.23,100.51 26,96.28 26,11.98 32.59,5.39 101.76,5.39 102.74,6.37 102.74,7.86 JP10.2 JP10.3 103.95,12.07 105.19,13.31 J4.66
/HS4: length 199.2
  Top w0.5: Motronic_88pin1.3 34.98,110.31 33.86,110.31 30.35,106.8 27.05,106.8 25.3,105.05 25.3,11.69 32.3,4.69 103.72,4.69 105.23,6.21 105.23,7.78 JP11.2 JP11.3 106.52,12.22 107.62,13.31 J4.65
/IGBT1: length 25.4
  Top w0.5: JP1.1 118.84,87.6 117.42,89.02 v1(117.42,94.19)
  Top w0.8: Motronic_88pin1.25 121.45,111.53 121.45,100.72 117.47,96.74 117.47,96.28 v1(117.49,96.26)
  vias: v1(115.38,94.16) v1(115.49,96.24) v1(115.56,98.28) v1(117.4,98.41) v1(119.33,96.33) v1(119.31,94.19) v1(119.46,98.36)
/IGBT2: length 47.3
  Top w0.5: v1(115.54,79.1) 114.54,78.1 114.54,71.7 115.04,71.2 116.14,71.2 116.74,70.6 JP6.1
  Top w0.8: Motronic_88pin1.52 119.12,107.95 118.22,107.06 118.22,104.65 113.25,99.68 113.25,81.39 v1(115.54,79.1)
  vias: v1(113.59,77.04) v1(113.77,81.15) v1(113.69,79.12) v1(115.61,81.28) v1(115.63,77.06) v1(117.54,79.2) v1(117.52,77.06) v1(117.67,81.24)
/IGBT3: length 27.2
  Top w0.5: JP3.1 110.14,87.4 108.46,89.07 v1(108.46,94.21)
  Top w0.8: Motronic_88pin1.24 116.62,108.04 114.94,106.37 114.94,104.72 108.45,98.22 108.45,96.35 v1(108.46,96.34)
  vias: v1(106.43,94.19) v1(106.53,96.27) v1(106.61,98.3) v1(108.44,98.43) v1(110.38,96.35) v1(110.36,94.21) v1(110.5,98.39)
/IGBT4: length 50.8
  Top w0.5: v1(106.54,79.1) 105.44,78 105.44,72.2 106.54,71.1 107.54,71.1 108.04,70.6 JP7.1
  Top w0.8: v1(106.54,79.1) 106.06,79.1 104.5,80.66 104.5,99.97 107.44,102.91 110.15,102.91 111.27,104.03 111.27,106.34 114.12,109.18 Motronic_88pin1.51
  vias: v1(104.51,77) v1(104.61,79.08) v1(104.69,81.11) v1(106.53,81.24) v1(106.55,77.02) v1(108.46,79.16) v1(108.44,77.02) v1(108.59,81.2)
/IGBT5: length 28.2
  Top w0.5: JP4.1 100.84,87.7 99.94,88.6 99.94,94.13 v1(99.92,94.15)
  Top w0.8: Motronic_88pin1.23 111.62,110.16 108.13,106.67 108.13,105.03 99.97,96.88 v1(99.97,96.23)
  vias: v1(97.88,94.13) v1(97.99,96.21) v1(98.06,98.24) v1(99.9,98.37) v1(101.84,96.29) v1(101.82,94.15) v1(101.96,98.33)
/IGBT6: length 54.6
  Top w0.5: JP8.1 99.74,70.8 98.94,71.6 97.74,71.6 97.74,78.3 v1(98.54,79.1)
  Top w0.8: v1(98.54,79.1) 98.54,79.53 95.25,82.82 95.25,99.82 96.04,100.61 102.16,100.61 105.09,103.54 105.09,107.29 109.12,111.33 Motronic_88pin1.50
  vias: v1(96.48,77.19) v1(96.59,79.27) v1(96.66,81.3) v1(98.5,81.43) v1(98.52,77.21) v1(100.44,79.35) v1(100.42,77.21) v1(100.56,81.39)
/IGBT7: length 32
  Top w0.5: JP5.1 92.24,87.5 90.89,88.85 90.89,93.8 v1(91.05,93.96)
  Top w0.8: Motronic_88pin1.22 101.7,106.78 101.7,104.73 99.87,102.91 96.49,102.91 91.04,97.46 v1(91.04,96.04)
  vias: v1(89.01,93.94) v1(89.11,96.02) v1(89.19,98.05) v1(91.03,98.18) v1(92.96,96.1) v1(92.94,93.96) v1(93.09,98.14)
/IGBT8: length 56.1
  Top w0.5: JP9.1 90.84,70.8 90.54,71.1 89.64,71.1 88.54,72.2 88.54,74.5 87.55,75.49 v1(87.55,76.84)
  Top w0.8: v1(89.54,79.14) v1(87.73,80.95) 85.5,83.18 85.5,99.37 86.99,100.86 92.74,100.86 95.78,103.91 97.4,103.91 98.48,105 98.48,106.24 99.74,107.49 100.88,107.49 104.12,110.73 Motronic_88pin1.49
  Top w1: Motronic_88pin1.49 104.12,111.52
  vias: v1(87.65,78.92) v1(89.57,81.08) v1(89.59,76.86) v1(91.48,76.86) v1(91.5,79) v1(91.62,81.04)
/IGN1: length 22.7
  Top w0.5: JP1.2 116.84,85.2 117.44,84.6 117.82,84.6 119.49,82.93 119.49,71.49 122.78,68.21 J4.23
/IGN2: length 11.9
  Top w0.5: JP6.2 114.74,68.92 118,65.67 J4.22
/IGN3: length 39
  Top w0.5: J4.21 122.49,63.13 121.69,62.32 113,62.32 111.03,64.29 111.03,83.71 110.24,84.5 108.64,84.5 108.14,85 JP3.2
/IGN4: length 23.1
  Top w0.5: JP7.2 106.04,68.29 112.89,61.44 121.77,61.44 122.62,60.59 J4.20
/IGN5: length 51.9
  Top w0.5: J4.19 122.45,58.05 121.59,57.18 107.46,57.18 102.4,62.24 102.4,84.14 101.94,84.6 99.34,84.6 98.84,85.1 JP4.2
/IGN6: length 34.9
  Top w0.5: JP8.2 97.74,65.91 107.25,56.4 121.69,56.4 122.58,55.51 J4.18
/IGN7: length 60.2
  Top w0.5: J4.17 122.41,52.97 121.58,52.13 105.51,52.13 93.97,63.67 93.97,82.2 90.24,85.93 JP5.2
/IGN8: length 44.8
  Top w0.5: J4.16 122.62,50.43 121.62,51.43 105.22,51.43 88.84,67.81 JP9.2
/IGN9: length 203.5
  Top w0.25: v1(18.29,73.3) 18.29,72.2 RN4.4 ; J4.15 117.71,41.08 117.71,24.66 117.55,24.5 v1(117.29,24.24) ; RN3.8 18.84,61.4 v2(18.94,61.3) 19.37,60.87 20.95,60.87 24.73,57.09 24.73,11.45 32.06,4.12 105.46,4.12 108,6.65 108,7.53 117.62,17.15 117.62,18.43 v1(117.28,18.76)
  Bottom w0.25: v1(18.29,73.3) 18.69,72.91 18.69,62.95 18.84,62.8 18.84,61.4 v2(18.94,61.3) ; v1(117.29,24.24) 117.56,23.97 117.56,19.03 v1(117.28,18.76)
/IGN10: length 205.8
  Top w0.25: RN4.3 17.8,71.4 17.22,71.97 17.22,72.77 16.78,73.22 v1(15.98,73.22) ; RN3.7 v2(18.04,61.2) 18.04,60.6 18.27,60.37 20.75,60.37 24.28,56.84 24.28,11.27 31.87,3.67 105.65,3.67 108.45,6.47 108.45,7.35 118.07,16.96 118.07,18.52 v1(118.28,18.74) ; J4.14 118.16,38.99 118.16,24.34 v1(118.28,24.21)
  Bottom w0.25: v1(118.28,18.74) 118.01,19.01 118.01,23.93 v1(118.28,24.21) ; v1(15.98,73.22) 17.66,71.53 17.66,62.77 18.04,62.4 v2(18.04,61.2)
/IGN11: length 200.6
  Top w0.25: v1(16.76,67.96) 17.76,67.96 19.02,69.22 19.02,70.37 18.8,70.6 RN4.2 ; J4.13 124.48,42.81 118.68,37.01 118.68,25.12 119.28,24.53 v1(119.28,24.25) ; RN3.6 v2(17.24,61.2) 17.24,60.76 18.08,59.92 20.49,59.92 23.83,56.58 23.83,11.08 31.69,3.22 105.84,3.22 108.74,6.12 108.75,6.12 108.9,6.27 108.9,7.16 119.54,17.8 119.54,18.14 119.28,18.39 v1(119.28,18.74)
  Bottom w0.25: v2(17.24,61.2) 16.76,61.68 v1(16.76,67.96) ; v1(119.28,18.74) 119.54,18.99 119.54,24 v1(119.28,24.25)
/IGN12: length 198.6
  Top w0.25: v1(120.28,24.25) 120.01,24.53 120.01,24.56 119.13,25.43 119.13,34.89 J4.12 ; RN3.5 16.44,61.4 v2(16.24,61.2) 16.24,61.11 17.88,59.47 20.18,59.47 23.38,56.27 23.38,10.89 31.5,2.77 106.02,2.77 108.93,5.67 108.94,5.67 109.35,6.08 109.35,6.97 120.02,17.65 120.02,18.45 v1(120.28,18.71) ; RN4.1 17.22,68.72 v1(15.94,68.72)
  Bottom w0.25: v1(120.28,18.71) 119.99,19.01 119.99,23.96 v1(120.28,24.25) ; v2(16.24,61.2) 15.94,61.5 v1(15.94,68.72)
